# Altium PCB ROS-Robot-Controller.PcbDoc (part 2 of 2)
Units mil, origin at the board's own origin, x right, y up, seen from the top; angles counter-clockwise.
Board outline 1972.2 x 2280.91 mil, 2 copper layers (Top Layer, Bottom Layer); 104 components, 97 nets, 467 pads, 326 vias.
Unrouted connection lines stored in the file: 20.
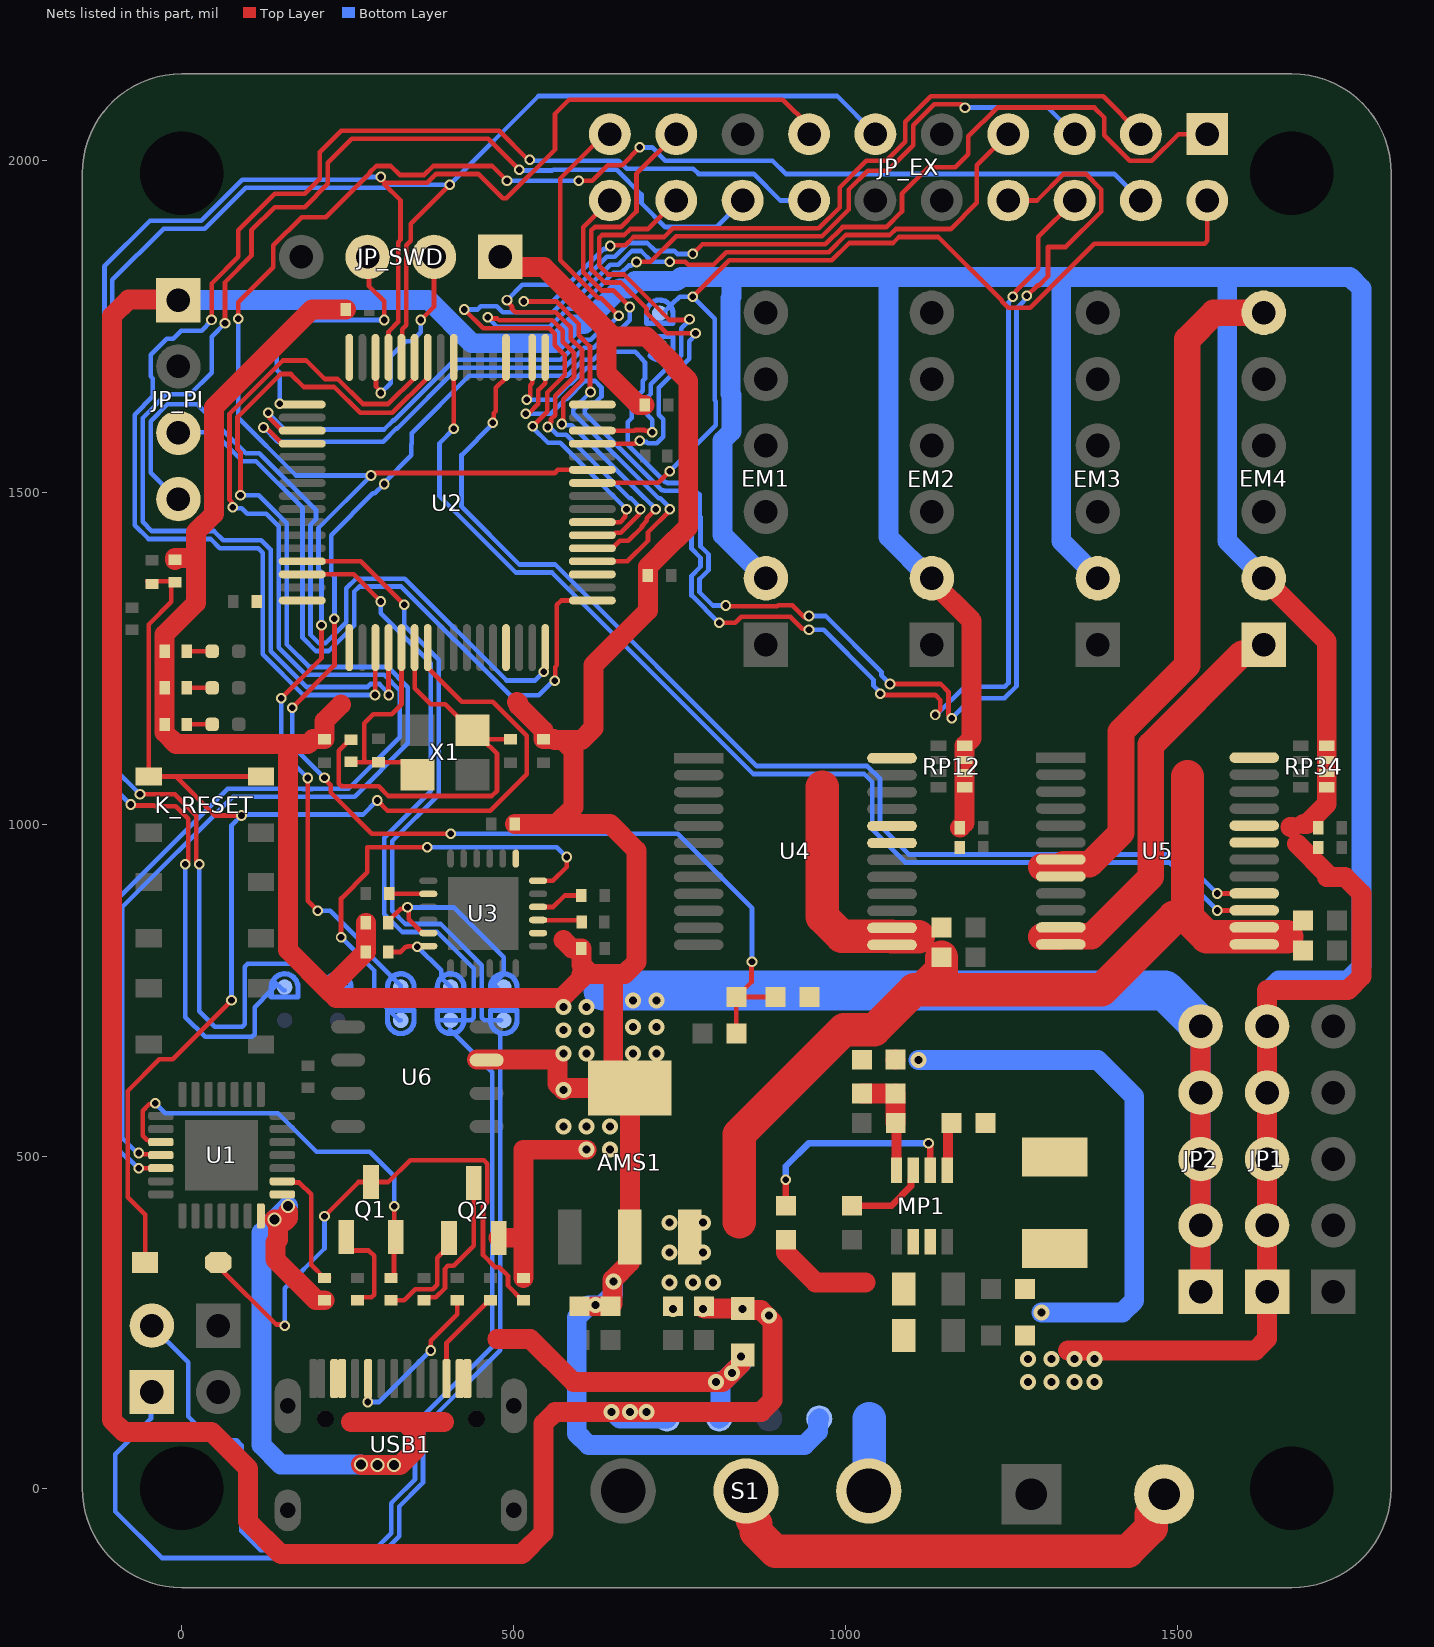
[diagram p2: the nets of this part, all layers, seen from the top]

## Via types
v1: diameter 16, hole 10, Top Layer to Bottom Layer, tented both sides, 227 vias
v2: diameter 24, hole 12, Top Layer to Bottom Layer, tented both sides, 94 vias
v3: diameter 21, hole 15, Top Layer to Bottom Layer, tented both sides, 5 vias

## Nets (pads, with @x,y where several pads share a name; then routed paths per layer and width w, separated by ;. In a path a pad name is that pad's centre, name@x,y a point inside that pad or via, vN(x,y) a via of type N, cw(c..) or ccw(c..) an arc to the next point about the centre after c; other vN are vias at no path point) (continued)
M4IN2: U2.36 U5.16 | length 1729.9
  Top Layer w7: v1(468.5,1605) 470.22,1606.72 470.22,1619.83 473,1622.61 473,1657.71 488.58,1673.29 U2.36@488.58,1703.5 ; v1(1560,896.02) U5.16@1615.67,896.02
  Bottom Layer w7: v1(468.5,1605) 468.5,1603.5 421.5,1556.5 421.5,1478.41 508.31,1391.6 562.64,1391.6 866.24,1088 1032.94,1088 1052,1068.94 1052,997.91 1095.12,954.8 1501.23,954.8 v1(1560,896.02)
M4OUT1: EM4.1 U5.11 U5.12 | length 633.7
  Top Layer w40: 1295,830.91 1324.33,830.91 1324.8,831.38 1370.14,831.38 1460,921.24 1460,1120 1597.44,1257.44 1616.54,1257.44 EM4.1@1630,1270.91
M4OUT2: EM4.6 U5.7 U5.8 | length 1057.8
  Top Layer w40: 1295,935.91 1324.33,935.91 1328.35,939.92 1367.47,939.92 1415,987.45 1415,1140 1515,1240 1515,1730.91 1555,1770.91 EM4.6@1630,1770.91
M4PWM: U2.40 U5.15 | length 1745.5
  Top Layer w7: U2.40@409.84,1703.5 409.92,1703.43 409.92,1595.98 v1(410,1595.91) ; v1(1560,870.43) U5.15@1615.67,870.43
  Bottom Layer w7: v1(410,1595.91) 388.28,1574.19 388.28,1494.66 503.34,1379.6 557.67,1379.6 861.27,1076 1027.97,1076 1040,1063.97 1040,992.94 1090.15,942.8 1487.64,942.8 v1(1560,870.43)
MPU6050_INT: DE3.1 U3.12 | length 689.7
  Top Layer w7: v1(240,830) 240,888.36 279.5,927.86 279.5,965.91 v1(370,965.91) ; U3.12@536.77,915.12 559.21,915.12 580,935.91 v1(580,950.91)
  Bottom Layer w7: v1(240,830) 290,780 290,742.32 312.32,720 327.32,705 DE3.1@330,705 ; v1(370,965.91) 565,965.91 v1(580,950.91)
MPU6050_SCL: DE2.1 R10.1 U3.23 | length 336.1
  Top Layer w7: R10.1@310.75,851.93 310.75,853.9 330.13,873.28 338.28,873.28 v1(340,875) 341.72,873.28 341.72,857.22 361.63,837.31 370.49,837.31 U3.23@371.42,836.38
  Bottom Layer w7: v1(340,875) 410,875 485,800 485,775 465,755 DE2.1@475,755
MPU6050_SDA: DE1.1 R8.1 U3.24 | length 145.9
  Top Layer w7: R8.1@310.75,807.95 329.61,807.95 337.56,815.91 340,815.91 340.39,816.3 371.02,816.3 U3.24@371.42,816.69
  Bottom Layer w7: v1(355,815.91) 390.86,780.05 390.86,769.14 DE1.1@405,755
NetC6_2: C6.2 U3.10 | length 72.3
  Top Layer w7: U3.10@536.77,875.75 559.84,875.75 577.05,892.95 C6.2@601.93,892.95
NetC7_1: C7.1 U3.20 | length 58.9
  Top Layer w7: C7.1@312.72,895.9 312.95,895.67 371.18,895.67 U3.20@371.42,895.43
NetC27_1: C27.1 MP1.8 R20.2 R21.1 | length 141.9
  Top Layer w15: MP1.8@1076.61,478.75 R21.1@1076.61,541.02
  Top Layer w30: C27.1@1025,594.41 1040,594.38 R20.2@1060,594.38 ; R20.2@1075,594.41 1075,550.6 R21.1@1075.59,550
NetC30_2: C30.2 MP1.7 | length 126
  Top Layer w10: C30.2@1010,425.59 1069.14,425.59 1098.7,455.15 1098.7,464.5 1102.2,468 MP1.7@1102.2,478.75
NetC33_1: C33.1 L1.2 MP1.3
NetC33_2: C33.2 MP1.5 | length 73.7
  Top Layer w15: MP1.5@1153.39,478.75 1154.39,479.72 1154.39,496.89 1154.39,544.96 C33.2@1159.41,550
NetD2_2: D2.2 Q1.3 R4.2 | length 845.7
  Top Layer w7: D2.2@55.12,330 59.05,330 142.33,246.72 153.28,246.72 v1(155,245) ; v1(215,410) 266.34,461.34 Q1.3@285,461.34 311.34,461.34 344.09,494.09 455.33,494.09 460.31,489.11 460.31,430.89 453.9,424.48 453.9,351.4 472.19,333.11 478.37,333.11 491.5,319.97 491.5,304.8 513.03,283.27 R4.2@515,283.27
  Bottom Layer w7: v1(155,245) 155,301.22 215,361.22 v1(215,410)
NetLED_BLUE_1: LED_BLUE.1 R16.1 | length 38.3
  Top Layer w7: R16.1@7.56,1150.91 LED_BLUE.1@45.83,1150.91
NetLED_GREEN_1: LED_GREEN.1 R15.1 | length 38.3
  Top Layer w7: R15.1@7.56,1205.91 LED_GREEN.1@45.83,1205.91
NetLED_PW_1: LED_PW.1 R17.1 | length 38.3
  Top Layer w7: R17.1@7.56,1260.91 LED_PW.1@45.83,1260.91
NetMP1_6: MP1.6 R22.1 | length 331.3
  Top Layer w10: R22.1@910,425.59 v1(910,465) ; v1(1125,520) 1125,518.38 1127.8,515.58 MP1.6@1127.8,478.75
  Bottom Layer w10: v1(910,465) 910,485 945,520 v1(1125,520)
NetQ1_1: Q1.1 R5.2 | length 148.3
  Top Layer w7: Q1.1@247.6,378.66 247.6,366.38 255.91,358.07 281.93,358.07 290,350 290,291.69 285.9,287.59 269.33,287.59 R5.2@265,283.27
NetQ2_1: Q2.1 R6.2 | length 158.2
  Top Layer w7: R6.2@315,283.27 335.26,283.27 351.99,300 378,300 384.66,306.66 384.66,346.96 392.93,355.23 394.29,355.23 402.6,363.54 Q2.1@402.6,377.32
NetQ2_3: Q2.3 R7.1 | length 220.8
  Top Layer w7: R7.1@365,283.27 369.37,287.64 382.61,287.64 396.66,301.69 396.66,330.9 400.76,335 409.7,335 440,365.3 Q2.3@440,460
NetR1_1: R1.1 U1.9 | length 178.1
  Top Layer w7: U1.9@151.5,462.44 U1.9@152.21,461.73 ; U1.9@166.44,460.5 177.15,460.5 195,442.65 195,336.73 R1.1@215,316.73 ; R1.1@215,317.44 R1.1@221.93,317.44
NetR2_2: R2.2 USB1.A5 | length 254.8
  Top Layer w7: v1(280,130) 280.39,130.39 280.39,164.73 USB1.A5@280.79,165.12 ; v1(375,207.6) 375,221.95 415,261.95 R2.2@415,283.27
  Bottom Layer w7: v1(280,130) 297.4,130 v1(375,207.6)
NetR3_2: R3.2 USB1.B5 | length 146.7
  Top Layer w7: USB1.B5@398.9,165.12 398.9,219.13 463.03,283.27 R3.2@465,283.27
NetR11_2: R11.2 U3.9 | length 67.4
  Top Layer w7: U3.9@536.77,856.06 537.32,855.52 600.34,855.52 R11.2@602.91,852.95
NetS1_2: S1.2 VIN1.2 | length 746
  Top Layer w50: S1.2@849.96,-4.1 859.23,-13.28 859.23,-47.6 865,-53.38 865,-65.71 894.29,-95 1425.42,-95 1460.62,-59.8 1460.62,-39.45 1485,-15.07 VIN1.2@1485,-14.09
OSCIN: C9.1 R13.2 U2.5 X1.3 | length 348.3
  Top Layer w7: R13.2@260,1094.17 260.36,1093.82 275,1093.82 278.17,1093.82 ; X1.3@330.78,1095.12 332.91,1095.12 333.5,1094.53 X1.3@333.5,1093.46 ; U2.5@331.1,1266.5 331.1,1180.88 316.34,1166.12 288.55,1166.12 275,1152.57 275,1096.99 278.17,1093.82 ; X1.3@355,1075 X1.3@353.03,1075 ; 278.17,1093.82 295.98,1093.82 C9.1@296.34,1093.46 X1.3@333.5,1093.46 ; X1.3@333.5,1093.46 333.5,1092.4 350.91,1075 X1.3@353.03,1075 ; X1.3@333.5,1093.46 334.57,1093.46 X1.3@353.03,1075
OSCOUT: C10.1 R13.1 U2.6 X1.1 | length 648.3
  Top Layer w7: R13.1@255,1127.64 253.03,1127.64 236.66,1111.26 236.66,1061.51 240.76,1057.41 296.83,1057.41 311.36,1042.88 466.79,1042.88 475,1051.09 475,1106.58 X1.1@452.95,1128.62 ; U2.6@350.79,1266.5 350.79,1205.12 375,1180.91 396.73,1180.91 435.71,1141.93 439.65,1141.93 X1.1@452.95,1128.62 ; C10.1@495,1128.62 X1.1@452.95,1128.62
PA4: JP_EX.1 U2.20 | length 1874.5
  Top Layer w7: v1(515,1787.94) 564.02,1787.94 598.04,1753.91 598.04,1736.94 615,1719.99 615,1652.32 v1(615.78,1651.54) ; U2.20@618.5,1396.42 671.42,1396.42 702.35,1427.35 702.35,1440.02 735,1472.67 v1(735,1475) ; v1(770,1859.5) 784.5,1874 969.5,1874 995.51,1900 1061.57,1900 1085,1923.43 1085,1950 1125,1990 1165,1990 1185,2010 1185,2036.56 1228.43,2080 1375,2080 1390,2065 1390,2038.44 1428.43,2000 1461.57,2000 1501.56,2040 JP_EX.1@1545,2040
  Bottom Layer w7: v1(515,1787.94) 558.59,1787.94 571.69,1801.04 586.5,1801.04 640.47,1855 652.33,1855 673.33,1876 701.52,1876 713.52,1864 741.83,1864 746.33,1859.5 v1(770,1859.5) ; v1(615.78,1651.54) 590,1625.77 590,1619.72 718.22,1491.5 720.83,1491.5 735,1477.33 v1(735,1475)
PA5: JP_EX.3 U2.21 | length 1741
  Top Layer w7: v1(490,1790) 490,1787.56 497.6,1779.96 497.6,1776.39 502.55,1771.44 563.55,1771.44 574.98,1760 586.04,1748.94 586.04,1731.97 603,1715.01 603,1669.23 574.57,1640.8 574.57,1611.63 574.4,1611.46 574.4,1605.09 v1(572.68,1603.37) ; U2.21@618.5,1416.1 648.86,1416.1 660.05,1427.29 672.59,1427.29 693.44,1448.13 693.44,1450.1 700.61,1457.28 700.61,1461.28 714,1474.67 v1(714,1475) ; v1(645.5,1871.5) 646.5,1872.5 668.01,1872.5 680.5,1885 726.69,1885 739.69,1898 959.56,1898 991.01,1929.45 991.01,1959.55 1031.47,2000 1061.57,2000 1090,2028.44 1090,2058.53 1128.47,2097 1388,2097 JP_EX.3@1445,2040
  Bottom Layer w7: v1(490,1790) 513.04,1813.04 581.53,1813.04 635.5,1867 638.56,1867 643.06,1871.5 v1(645.5,1871.5) ; v1(572.68,1603.37) 574.4,1601.65 587.35,1601.65 697.5,1491.5 697.83,1491.5 714,1475.33 v1(714,1475)
PA6: JP_EX.5 U2.22 | length 1657.1
  Top Layer w7: v1(461,1763.94) 462.72,1762.22 475.39,1762.22 478.17,1759.44 558.57,1759.44 574.04,1743.97 574.04,1727 591,1710.04 591,1674.2 562.57,1645.77 562.57,1616.6 556.18,1610.21 556.18,1606.28 551.17,1601.27 v1(551.17,1598.83) ; U2.22@618.5,1435.79 649.33,1435.79 652.83,1439.29 661.26,1439.29 689.28,1467.31 689.28,1473.28 v1(691,1475) ; v1(685.07,1847.43) 685.14,1847.5 706.17,1847.5 744.67,1886 964.53,1886 1005,1926.47 1005,1956.57 1033.44,1985 1063.53,1985 1102,2023.46 1102,2053.56 1133.44,2085 1175,2085 v1(1180,2080)
  Bottom Layer w7: v1(461,1763.94) 474.93,1750 554.59,1750 581.63,1777.04 596.44,1777.04 650.41,1831 662.28,1831 673.27,1842 677.2,1842 682.63,1847.43 v1(685.07,1847.43) ; v1(551.17,1598.83) 553.41,1598.83 565.37,1586.87 579.13,1586.87 602.94,1563.06 674.5,1491.5 676.83,1491.5 691,1477.33 v1(691,1475) ; v1(1180,2080) 1305,2080 JP_EX.5@1345,2040
PA7: JP_EX.7 U2.23 | length 1562.6
  Top Layer w7: v1(425.8,1775.8) 454.16,1747.44 553.6,1747.44 562.04,1739 562.04,1722.03 576.92,1707.16 576.92,1677.08 550.57,1650.74 550.57,1621.57 v1(529,1600) ; U2.23@618.5,1455.47 660.47,1455.47 668.28,1463.28 668.28,1473.28 v1(670,1475) ; v1(735,1847.5) 758.67,1847.5 763.17,1843 801.03,1843 820.03,1862 974.47,1862 1000.48,1888 1066.54,1888 1075.53,1897 1158.56,1897 1197.93,1936.36 1197.93,1992.93 JP_EX.7@1245,2040
  Bottom Layer w7: v1(425.8,1775.8) 445.72,1775.8 450.35,1780.44 474.56,1780.44 483.56,1771.44 559.06,1771.44 576.66,1789.04 591.47,1789.04 645.44,1843 657.31,1843 678.24,1863.93 691.9,1863.93 708.33,1847.5 v1(735,1847.5) ; v1(529,1600) 529,1597.67 551.79,1574.87 570.13,1574.87 589.74,1555.26 v1(670,1475)
PA11: DE_CAN_Rx.2 JP_EX.11 U2.44 | length 3110.7
  Top Layer w7: v1(-62.88,1045.54) -10.24,1045.54 22,1013.31 22,944.5 v1(26.5,940) ; U2.44@331.1,1703.5 332.02,1704.42 332.02,1746.07 338.04,1752.08 338.04,1872.38 345,1879.35 345,1905 v1(403.5,1963.5)
  Bottom Layer w7: v1(-62.88,1045.54) -104.5,1087.16 -104.5,1820.36 -27.45,1897.41 34.58,1897.41 96.17,1959 306.83,1959 311.33,1963.5 v1(403.5,1963.5) 537.41,2097.41 987.59,2097.41 JP_EX.11@1045,2040 ; v1(26.5,940) 26.5,718.5 50,695 90.9,695 95,699.1 95,785.9 99.1,790 170,790 210,750 215,750 DE_CAN_Rx.2@235,750 ; DE_CAN_Rx.2@235,755 255,755 255,754.32
PA12: DE_CAN_Tx.2 JP_EX.13 U2.45 | length 2996
  Top Layer w7: v1(-77,1030) -75.5,1028.5 -41.61,1028.5 -40.3,1027.18 -8.85,1027.18 10,1008.33 10,944.5 v1(5.5,940) ; v1@300,1970 v1(300,1975.5) ; v1@303.44,1970 306.94,1966.5 370.14,1966.5 383.64,1980 446.83,1980 483.35,1943.48 489.15,1943.48 562.25,2016.59 562.25,2070.9 583.35,2092 905.41,2092 945,2052.41 JP_EX.13@945,2040 ; 305.22,1964.78 329.53,1940.47 329.53,1880.85 326.04,1877.35 326.04,1757.05 311.42,1742.44 U2.45@311.42,1703.5
  Bottom Layer w7: v1(-77,1030) -116.5,1069.5 -116.5,1840.79 -47.87,1909.41 29.61,1909.41 91.2,1971 273.24,1971 277.74,1975.5 v1(300,1975.5) ; v1(5.5,940) 5.5,709.8 35.15,680.15 105.75,680.15 109.85,684.25 109.85,724.85 135,750 139.74,754.74 139.74,762.93 152.68,750 DE_CAN_Tx.2@155,750
PB0: DE_VIN_ADC.2 JP_EX.2 U2.26 | length 1444.9
  Top Layer w7: U2.26@618.5,1514.53 618.74,1514.76 717.76,1514.76 v1(735,1532) ; v1(770,1795) 825,1850 979.44,1850 1005.45,1876 1071.51,1876 1080.5,1885 1139.91,1885 1235.29,1789.62 1235.29,1788.29 1244.96,1778.63 1246.28,1778.63 1246.41,1778.5 1278.5,1778.5 1375,1875 1540.9,1875 1545,1879.1 JP_EX.2@1545,1940
  Bottom Layer w7: DE_VIN_ADC.2@725,1770 739.14,1784.14 750,1795 v1(770,1795) 803.04,1761.96 803.04,1639.03 804.54,1637.53 804.54,1601.54 v1(735,1532)
PB1: DE3.2 JP_EX.4 U2.27 | length 3201.6
  Top Layer w7: v1(85,1762) 85,1786.67 138.04,1839.7 138.04,1872.38 180.65,1915 217.24,1915 283.5,1981.26 283.5,1982.33 293.17,1992 314.67,1992 328.17,1978.5 365.17,1978.5 378.67,1992 468,1992 v1(490,1970) ; v1(150,1190) 210.5,1250.5 v1(210.5,1300) ; v1(190,1070) 190,885 v1(205,870) ; v1(285.15,1525.75) 287.59,1525.75 291.24,1529.41 561.83,1529.41 566.64,1534.21 U2.27@618.5,1534.21 ; v1(598.29,1969.98) 618.42,1969.98 641.8,1993.36 663.36,1993.36 v1(690,2020)
  Bottom Layer w7: v1(85,1762) 85,1612.88 172.12,1525.75 v1(285.15,1525.75) 206,1446.6 206,1384.61 210.5,1380.11 v1(210.5,1300) ; v1(150,1190) 150,1110 v1(190,1070) ; v1(205,870) 205.17,869.83 223.5,869.83 286.83,806.51 286.83,800.14 316.88,770.09 330,756.97 DE3.2@330,755 ; v1(490,1970) v1(598.29,1969.98) ; v1(690,2020) 690.06,2019.94 708.5,2019.94 728.43,2000 890,2000 910,1980 1405,1980 JP_EX.4@1445,1940
PB10: JP_EX.17 U2.29 | length 780.7
  Top Layer w7: U2.29@618.5,1573.58 683.2,1573.58 687.45,1577.83 v1(689.89,1577.83) ; JP_EX.17@745,2040 685,1980 685,1923.43 661.57,1900 622.08,1900 617,1894.92 617,1836.72 637.22,1816.5 661.22,1816.5 678.95,1798.78 679.04,1798.78 700.1,1777.72 700.1,1770.83 730.93,1740 v1(774,1740)
  Bottom Layer w7: v1(689.89,1577.83) 691.61,1576.11 700.37,1576.11 702.03,1574.46 715.7,1574.46 725.36,1584.12 725.36,1610.4 718.5,1617.27 718.5,1658.22 735.78,1675.5 743.43,1675.5 755,1687.07 755,1692.07 764.5,1701.57 764.5,1728.06 774,1737.56 v1(774,1740)
PB11: JP_EX.18 U2.30 | length 644.8
  Top Layer w7: U2.30@618.5,1593.27 681.99,1593.27 683.06,1594.33 696.72,1594.33 697.79,1593.27 700.26,1593.27 700.85,1592.68 707.14,1592.68 v1(708.86,1590.96) ; JP_EX.18@745,1940 702,1897 675.53,1897 666.54,1888 633.17,1888 629,1883.84 629,1841.69 642.19,1828.5 666.29,1828.5 734.79,1760 764,1760 v1(765,1761)
  Bottom Layer w7: v1(708.86,1590.96) 708.86,1609.93 701.5,1617.3 701.5,1643.52 706.5,1648.52 706.5,1663.19 730.81,1687.5 733.46,1687.5 752.5,1706.54 752.5,1747.34 765,1759.84 v1(765,1761)
PB12: JP_EX.6 U2.33 | length 2040.8
  Top Layer w7: v1(518.3,1619) 522.33,1619 537,1633.67 537,1655 538.07,1655 538.57,1655.5 538.57,1655.71 547.64,1664.78 U2.33@547.64,1703.5 ; v1(809.54,1303.8) 833.94,1303.8 843.01,1312.87 916.99,1312.87 934.86,1295 943.06,1295 v1(945,1293.06) ; v1(1052.06,1196.75) 1053.71,1195.1 1134.9,1195.1 1142.5,1187.5 1142.5,1172.5 v1(1135,1165) ; v1(1251.79,1795.13) 1251.79,1797.56 1256.45,1802.22 1256.45,1803.12 1290.54,1837.21 1290.54,1885.54 JP_EX.6@1345,1940
  Bottom Layer w7: v1(518.3,1619) 555.97,1619 578.49,1641.51 580.46,1641.51 606.98,1668.04 622.61,1668.04 632.28,1658.38 632.28,1644.71 622.61,1635.04 616.25,1635.04 606.98,1625.78 606.98,1619.71 723.19,1503.5 725.81,1503.5 726.81,1502.5 757.53,1502.5 768,1492.03 768,1415.33 781.5,1401.83 781.5,1388.17 768,1374.67 768,1345.03 809.23,1303.8 v1(809.54,1303.8) ; v1(945,1293.06) 966.94,1293.06 1042.1,1217.9 1042.1,1209.14 1052.06,1199.18 v1(1052.06,1196.75) ; v1(1135,1165) 1136.99,1165 1179.66,1207.68 1240,1207.68 1245.5,1213.18 1245.5,1786.4 1251.79,1792.69 v1(1251.79,1795.13)
PB13: JP_EX.8 U2.34 | length 2303.4
  Top Layer w7: v1(520,1640) 525,1645 525,1661.62 527.95,1664.57 U2.34@527.95,1703.5 ; v1(819.7,1329.86) 820.61,1328.94 897.38,1328.94 898.44,1330 920,1330 937.87,1312.13 943.06,1312.13 v1(945,1314.06) ; v1(1066.91,1211.6) 1143.4,1211.6 1155,1200 1155,1165 v1(1160,1160) ; JP_EX.8@1245,1940 1288.44,1940 1328.43,1980 1361.57,1980 1385,1956.57 1385,1923.43 1331.56,1870 1305,1870 1305,1825.76 1291.13,1811.88 1288.55,1811.88 v1(1272.95,1796.29)
  Bottom Layer w7: v1(520,1640) 560,1640 583.9,1663.9 585.87,1663.9 609.92,1687.95 624.74,1687.95 648.79,1712 683,1712 693.36,1701.64 693.36,1700.68 697.8,1696.24 697.8,1671.46 694.5,1668.17 694.5,1653.49 675.27,1634.26 675.27,1628.46 677.77,1625.97 677.77,1612.3 671.77,1606.3 671.77,1571.9 679.17,1564.5 728.17,1515.5 730.78,1515.5 731.78,1514.5 762.5,1514.5 780,1497 780,1465 781.5,1463.5 781.5,1418.81 793.5,1406.81 793.5,1383.19 780,1369.69 780,1350 800.14,1329.86 v1(819.7,1329.86) ; v1(945,1314.06) 969.93,1314.06 1054.1,1229.9 1054.1,1224.95 1066.91,1212.14 v1(1066.91,1211.6) ; v1(1160,1160) 1190,1190 1240,1190 1240,1190.71 1257.5,1208.21 1257.5,1777.5 1268.29,1788.29 1268.29,1789.19 1272.95,1793.85 v1(1272.95,1796.29)
PC10: JP_EX.19 U2.51 | length 1024.3
  Top Layer w7: v1(130.49,1619.98) 131.72,1618.74 131.72,1612.83 151.28,1593.27 U2.51@181.5,1593.27 ; JP_EX.19@645,2040 636.86,2040 570,1973.14 570,1849.78 627.28,1792.5 632.29,1792.5 v1(658.51,1766.27)
  Bottom Layer w7: v1(130.49,1619.98) 130.49,1619.51 155,1595 304.69,1595 318.19,1608.5 319.56,1608.5 411.06,1700 571.06,1700 601.09,1730.04 615.91,1730.04 633.88,1748 640.24,1748 v1(658.51,1766.27)
PC11: JP_EX.20 U2.52 | length 941.4
  Top Layer w7: v1(123.11,1598.11) 124.83,1596.38 128.48,1596.38 151.28,1573.58 U2.52@181.5,1573.58 ; JP_EX.20@645,1940 605,1900 605,1831.75 632.25,1804.5 649.96,1804.5 v1(674.81,1779.64)
  Bottom Layer w7: v1(123.11,1598.11) 144.41,1576.8 303.47,1576.8 323.17,1596.5 324.53,1596.5 416.03,1688 576.03,1688 606.06,1718.04 620.88,1718.04 638.85,1736 651.57,1736 675.01,1759.44 675.01,1779.45 v1(674.81,1779.64)
PC14: JP_EX.14 U2.3 | length 2153.6
  Top Layer w7: v1(44.73,1760.06) 45,1760.33 45,1815 85,1855 85,1895 140,1950 185,1950 208,1973 208,2013 240,2045 478.28,2045 521.63,2001.66 v1(523.99,2001.66) ; v1(291.07,1195) 291.73,1195.66 U2.3@291.73,1266.5
  Bottom Layer w7: v1(44.73,1760.06) 44.73,1758.77 29.92,1743.96 -1.04,1743.96 -13.04,1731.96 -22.38,1731.96 -46.96,1707.38 -46.96,1675.3 -43.5,1671.83 -43.5,1644.79 -70.96,1617.32 -70.96,1450.96 -50,1430 43.59,1430 57.38,1416.21 70.76,1416.21 114.97,1416.21 122,1409.18 122,1256.18 183.18,1195 v1(291.07,1195) ; v1(523.99,2001.66) 525.64,2000 658.53,2000 670.53,1988 770.53,1988 778.54,1980 861.57,1980 901.56,1940 JP_EX.14@945,1940
PC15: JP_EX.16 U2.4 | length 2069.7
  Top Layer w7: v1(65.15,1755.15) 65.15,1816.65 105,1856.5 105,1895 140,1930 185,1930 220,1965 220,1996.72 256.28,2033 462,2033 508.5,1986.5 v1(508.67,1986.5) ; U2.4@311.42,1266.5 311.42,1195.66 v1(312.07,1195)
  Bottom Layer w7: v1(65.15,1755.15) 45,1735 45,1680.65 12.38,1648.04 -23.28,1648.04 -58.96,1612.35 -58.96,1455.94 -45.03,1442 48.56,1442 62.35,1428.21 75.73,1428.21 119.94,1428.21 134,1414.15 134,1261.15 188.15,1207 279.74,1207 284.24,1211.5 297.91,1211.5 312.07,1197.33 v1(312.07,1195) ; v1(508.67,1986.5) 510.01,1985.16 558.31,1985.16 559.64,1986.48 655.08,1986.48 692.61,1948.95 692.61,1935.83 728.43,1900 805,1900 JP_EX.16@845,1940
RESET: C11.2 D2.1 K_RESET.1 K_RESET.2 R14.1 U2.7 | length 2138.7
  Top Layer w7: D2.1@-55.12,330 -55.12,412.3 -81.5,438.68 -81.5,598.5 -33.7,646.3 -13.7,646.3 v1(75,735) ; C11.2@-51.81,1366.52 -11.52,1366.52 R14.1@-10,1365 -15.6,1359.4 -15.6,1335.3 -49.64,1301.26 K_RESET.1@-49.64,1072.32 -8.82,1072.32 ; v1(90,1013.5) 50,1013.5 -8.82,1072.32 ; K_RESET.2@119.65,1072.32 -8.82,1072.32 ; v1(294.75,1036.15) 310,1020.91 465,1020.91 520,1075.91 520,1133.36 468.36,1185 421.75,1185 U2.7@370.47,1236.28
  Bottom Layer w7: v1(75,735) 75,998.5 v1(90,1013.5) ; v1@90,1015 273.6,1015 v1(294.75,1036.15)
RTS: Q1.2 R6.1 U1.24 | length 656
  Top Layer w7: v1(-40,580) -41.72,578.28 -49.35,578.28 -59,568.63 -59,530.78 -52.21,524 -34,524 U1.24@-31.5,521.5 ; R6.1@315,316.73 315.28,316.73 319.65,321.11 319.65,375.91 Q1.2@322.4,378.66 320,381.06 v1(320,425)
  Bottom Layer w7: v1(-40,580) -25,565 145,565 203,507 283,507 320,470 v1(320,425)
SCL: DE2.2 JP_IIC.1 U2.61 | length 2464.9
  Top Layer w7: U2.61@181.5,1396.42 269.49,1396.42 v1(335,1330.91)
  Bottom Layer w7: JP_IIC.1@-45,145 -46.36,143.64 -46.36,105.14 -100,51.49 -100,-35 -30,-105 295,-105 327.49,-72.51 327.49,-27.49 359.97,5 ; v1(335,1330.91) 335,1300 387,1248 387,1045.03 317,975.03 317,869.97 336.97,850 389.97,850 452,787.97 452,709.1 456.1,705 465,705 DE2.2@481.02,705 ; 360,5 363.49,8.49 363.49,91.51 480,208.03 480,684.69 479.24,685.45
SDA: DE1.2 JP_IIC.2 U2.62 | length 2444.1
  Top Layer w7: U2.62@181.5,1376.73 259.17,1376.73 v1(300,1335.91)
  Bottom Layer w7: JP_IIC.2@-45,245 10,190 10,108.08 46.08,72 82.97,72 90,64.97 90,-65 118,-93 290.03,-93 315.49,-67.54 315.49,-22.51 319,-19 351.49,13.49 351.49,96.49 355,100 468,213 468,627 409.49,685.51 404.14,690.86 ; v1(300,1335.91) 300,1318.03 375,1243.03 375,1050 305,980 305,865 332,838 385,838 440,783 440,709.1 435.9,705 425,705 410,705 390,705
SWCLK: JP_SWD.3 U2.49 | length 401.1
  Top Layer w7: v1(147.45,1633.56) 148.37,1632.64 U2.49@181.5,1632.64 ; JP_SWD.3@293.18,1840.49 282.07,1829.39 282.07,1811.04 305,1788.11 v1(305,1760)
  Bottom Layer w7: v1(147.45,1633.56) 147.45,1680.22 143,1684.67 143,1728.91 174.09,1760 v1(305,1760)
SWDIO: JP_SWD.2 U2.46 | length 300.3
  Top Layer w7: U2.46@291.73,1703.5 292.65,1702.58 292.65,1659.78 300,1652.44 v1(300,1650) ; v1(360,1760) 380,1780 JP_SWD.2@380,1855
  Bottom Layer w7: v1(300,1650) 315,1665 315,1705.44 337.39,1727.83 346.36,1727.83 360,1741.47 v1(360,1760)
USART1_RX_DEBUG: U1.26 U2.43 | length 2057.3
  Top Layer w7: v1(-65,482.13) U1.26@-31.5,482.13 ; v1(77.02,1477.97) 75.3,1479.69 75.3,1485.73 71.96,1489.07 71.96,1618.73 152.23,1699 187.67,1699 215.62,1671.04 234.92,1671.04 272.47,1633.5 311,1633.5 350.79,1673.29 U2.43@350.79,1703.5
  Bottom Layer w7: v1(-65,482.13) -65.46,482.13 -79.79,496.45 -81.79,496.45 -102,516.67 -102,883 69,1054 182.67,1054 183.17,1053.5 196.83,1053.5 197.33,1054 251.22,1054 328.57,1131.35 328.57,1201.83 305.09,1225.32 186.8,1225.32 146,1266.12 146,1449 127,1468 98.46,1468 90.22,1476.25 78.75,1476.25 v1(77.02,1477.97)
USART1_TX_DEBUG: U1.25 U2.42 | length 2022.9
  Top Layer w7: v1(-65,505) -63.41,503.41 -33.09,503.41 U1.25@-31.5,501.81 ; v1(88.46,1495.91) 88.46,1560.5 83.96,1565 83.96,1613.76 148.77,1678.56 164.51,1678.56 184.02,1659.04 229.95,1659.04 269,1620 317.18,1620 370.47,1673.29 U2.42@370.47,1703.5
  Bottom Layer w7: v1(-65,505) -67,505 -90,528 -90,875 77,1042 177.69,1042 178.19,1041.5 201.81,1041.5 202.31,1042 260.29,1042 340.57,1122.28 340.57,1206.81 310.06,1237.32 191.77,1237.32 158,1271.09 158,1453.97 116.06,1495.91 v1(88.46,1495.91)
USART2_RX_PI: JP_PI.3 U2.17 | length 1147.3
  Top Layer w7: v1(561.65,1216.52) 562.52,1217.38 562.52,1237.14 565,1239.62 565,1330.91 571.46,1337.36 U2.17@618.5,1337.36
  Bottom Layer w7: JP_PI.3@-15,1590.91 48.03,1590.91 91.53,1547.41 111.83,1547.41 182,1477.24 182,1302.38 182,1281.03 201.71,1261.32 221.62,1261.32 260,1299.69 260,1350.91 267.5,1358.41 330.83,1358.41 494.78,1194.46 537.55,1194.46 559.61,1216.52 v1(561.65,1216.52)
USART2_TX_PI: JP_PI.4 U2.16 | length 1180
  Top Layer w7: v1(545.56,1230.01) 546.72,1231.17 546.72,1265.58 U2.16@547.64,1266.5
  Bottom Layer w7: JP_PI.4@-15,1490.91 -15,1498.16 -46.96,1530.13 -46.96,1607.38 -21.48,1632.87 23.04,1632.87 96.5,1559.41 116.81,1559.41 202.18,1474.04 202.18,1459.75 194,1451.57 194,1286 206.68,1273.32 216.65,1273.32 248,1304.67 248,1355.88 262.53,1370.41 335.8,1370.41 489.25,1216.96 532.46,1216.96 v1@545.51,1230.01
USB_5V: F1.1 R1.2 TP_USB_5V.1 U1.7 U1.8 USB1.A4 USB1.A9 USB1.B4 USB1.B9 | length 1585.9
  Top Layer w30: 155,401.81 160,406.81 v3@160,415.91 ; 155,405 v3(140,405) 145.06,399.94 145.06,374.39 140.98,370.31 140.98,344.75 202.47,283.27 R1.2@215,283.27 ; 255,100 335.91,100 ; v3(270,35.91) 270.91,35 v3(295,35) v3(320,35) 329.09,35 352.57,58.48 352.57,83.33 335.91,100 ; 395,100 335.91,100 ; 475.32,225 525,225 590,160 814.93,160 842.5,187.57 v2(842.5,198.41) F1.1@845,200.91
  Bottom Layer w30: v3(160,425) 120.04,385.04 120.04,64.96 149.09,35.91 v3(270,35.91) ; v3@270.91,35 v3(295,35) v3(320,35) ; TP_USB_5V.1@809.63,105 811.42,106.79 811.42,161.42 816.42,161.42 v2@845,190
  other v2: 805,160 828.71,173.79
VCC3V3: AMS1.2 AMS1.4 C3.2 C4.2 C5.2 C8.1 C21.2 C22.2 C23.2 C24.2 C25.2 C26.2 JP2.1 JP2.2 JP2.3 JP2.4 JP2.5 JP_SWD.1 Q2.2 R4.1 R8.2 R10.2 R14.2 R15.2 R16.2 R17.2 TP_VCC3V3.1 U2.1 U2.13 U2.19 U2.32 U2.48 U2.64 U3.8 U3.13 U6.3 | length 7430.7
  Top Layer w30: R14.2@-10,1398.47 -10,1401.5 21.5,1401.5 ; 169.6,1120.91 160,1120.91 ; 170.14,1120.91 189.86,1120.91 197.57,1128.62 C26.2@215,1128.62 215,1155.91 240,1180.91 ; C24.2@247.29,1775.91 195.91,1775.91 48.46,1628.46 48.46,1467.85 21.5,1440.89 21.5,1401.5 ; R10.2@277.29,851.93 R8.2@277.29,807.95 220,750.66 ; U6.3@445,645.94 565.76,645.94 565.76,609.24 v2(575,600) 578.11,603.11 AMS1.4@675,603.11 ; Q2.2@477.4,377.32 515,377.32 ; JP_SWD.1@480,1855 495.28,1839.72 545.47,1839.72 650.19,1735 699.69,1735 742.07,1692.61 742.07,1689.26 763,1668.33 763,1448.4 744.1,1429.5 743.59,1429.5 702.29,1388.19 C21.2@702.29,1375 702.29,1322.29 620,1240 620,1144.98 602.43,1127.41 561.93,1127.41 560.72,1128.62 C25.2@545,1128.62 545,1141.59 507.5,1179.1 507.5,1182.3 505.19,1184.6 ; C8.1@501.81,1000.9 565,1000.9 ; R4.1@515,316.73 515,377.32 ; 573.64,1127.41 590,1111.04 590,1025.91 565,1000.9 ; 575,825.91 587.95,812.95 C5.2@601.93,812.95 601.93,788.48 615.41,775 650,775 ; 601.93,775 601.93,767.83 572.51,738.41 232.25,738.41 220,750.66 ; v2(610,510) 515,510 515,377.32 ; v2@619,274.21 C4.2@646,274.21 649.18,277.39 649.18,314.18 AMS1.2@675,340 ; 640,1745.19 640,1680 688.19,1631.81 C22.2@697.29,1631.81 ; AMS1.4@659.15,617.3 650,626.46 650,775 ; AMS1.4@673.35,603.11 675,601.46 AMS1.2@675,382.98 ; JP2.1@1535,295.91 JP2.2@1535,395.91 JP2.3@1535,495.91 JP2.4@1535,595.91 JP2.5@1535,695.91 ; 21.5,1401.5 21.5,1333.77 -25.91,1286.36 R17.2@-25.91,1260.91 R15.2@-25.91,1205.91 R16.2@-25.91,1150.91 -25.91,1138.37 -8.44,1120.91 160,1120.91 ; 160,1120.91 160,810.66 220,750.66 ; 565,1000.9 645,1000.9 685,960.9 685,792.57 667.43,775 650,775
  Bottom Layer w30: v2@650,310 650,292.57 632.43,275 612.69,275 595.12,257.43 595.12,82.69 612.69,65.12 938.11,65.12 958.58,85.58 958.58,103.21 TP_VCC3V3.1@960.37,105 ; JP2.1@1535,295.91 JP2.2@1535,395.91 JP2.3@1535,495.91 JP2.4@1535,595.91 JP2.5@1535,695.91
  Bottom Layer w60: 635,750 1480.91,750 JP2.5@1535,695.91
  other v2: 623.17,276.2 650.61,311.2 645,510 575,545 610,545 645,545 575,655 610,655 680,655 715,655 575,690 610,690 680,695 715,695 575,725 610,725 680,735 715,735
VCC5V: AMS1.3 C1.2 C2.2 C17.1 C18.2 C19.1 C20.2 C27.2 C31.2 C32.2 EM1.2 EM2.2 EM3.2 EM4.2 F1.2 JP1.1 JP1.2 JP1.3 JP1.4 JP1.5 JP_PI.1 L1.1 R20.1 RP12.5 RP12.6 RP12.7 RP12.8 RP34.5 RP34.6 RP34.7 RP34.8 TP_VCC5V.1 U4.19 U4.20 U5.19 U5.20 | length 11695.8
  Top Layer w30: JP_PI.1@-15,1790.91 -80,1790.91 -105,1765.91 -105,102.57 -87.43,85 45,85 100,30 100,-50 149.29,-99.29 512.23,-99.29 545,-66.52 545,97.43 562.57,115 872.43,115 890,132.57 890,250.83 872.43,268.41 847.5,268.41 F1.2@845,270.91 C1.2@787.01,270.91 ; EM2.2@1130,1370.91 1130,1366.87 1190,1306.87 1190,1129.53 RP12.8@1179.37,1118.9 RP12.6@1179.37,1077.56 1179.37,1002.09 C18.2@1172.29,995 ; 1335,207.57 1617.43,207.57 1635,225.15 JP1.2@1635,395.91 JP1.3@1635,495.91 JP1.4@1635,595.91 JP1.5@1635,695.91 1635,750.91 1757.2,750.91 1777.2,770.91 1777.2,896.13 1752.43,920.91 1725,920.91 1725,925.91 1680,970.91 ; EM4.2@1630,1370.91 1725,1275.91 RP34.8@1725,1118.9 RP34.7@1725,1097.24 RP34.6@1725,1077.56 RP34.5@1725,1055.91 1725,1030.91 1695,1000.91 1690,1000.91 ; 1670,995.91 1673.6,995.91
  Bottom Layer w30: JP_PI.1@-5,1790 372,1790 437,1725 562.82,1725 591.36,1753.54 606.18,1753.54 660.15,1807.5 672.01,1807.5 683.01,1818.5 745.59,1818.5 752.09,1825 828.04,1825 ; v2@645,115 650,115 660,105 TP_VCC5V.1@731.11,105 ; EM1.2@880,1370.91 814.54,1436.37 814.54,1578.3 828.04,1591.8 828.04,1647.26 826.54,1648.76 826.54,1793.05 828.04,1794.55 828.04,1825 ; v2(1110,645) 1154.98,645 1380.01,644.98 1435.01,589.98 1435.01,282.57 1417.43,265 v2(1295,265) ; EM2.2@1130,1370.91 1126.77,1370.91 1064.54,1433.14 1064.54,1825 ; EM3.2@1380,1370.91 1380,1371.87 1325,1426.87 1325,1825 ; EM4.2@1630,1370.91 1630,1371.87 1575,1426.87 1575,1825 ; JP1.1@1635,295.91 JP1.2@1635,395.91 JP1.3@1635,495.91 JP1.4@1635,595.91 JP1.5@1635,695.91 1635,747.43 1652.57,765 1756.3,765 1777.2,785.91 1777.2,1807.43 1759.63,1825 1575,1825 ; 828.04,1825 1064.54,1825 ; 1064.54,1825 1325,1825 ; 1325,1825 1575,1825
  other v2: 647.5,115 675,115 700,115 1275,160 1310,160 1345,160 1375,160 1275,195 1310,195 1345,195 1375,195 885,260 740,270 785,270 845,270 735,310 770,310 800,310 735,355 785,355 735,400 785,400
VCC12V: C13.2 C14.2 C15.2 C16.2 C28.2 C29.2 MP1.2 R18.2 R22.2 S1.3 TP_VCC12V.1 U4.13 U4.14 U4.24 U5.13 U5.14 U5.24 | length 1978
  Top Layer w30: R22.2@910,374.41 910,355 955,310 1030,310
  Top Layer w50: 840,401.2 840,533.01 997.58,690.59 1043.33,690.59 1103.65,750.91 1115.12,750.91 ; 965,1056.21 965,860.98 994.26,831.72 1069.18,831.72 1070,830.91 1110,830.91 ; C13.2@1144.41,800 1144.41,780.19 1115.12,750.91 ; 1495,860.2 1385.71,750.91 1115.12,750.91 ; 1515,1072.33 1515,860.2 1544.29,830.91 1615.67,830.91 1665,830.91
  Bottom Layer w50: S1.3@1035,-4.1 1035.74,-3.35 TP_VCC12V.1@1035.74,105
VIN_ADC: C12.2 DE_VIN_ADC.1 R18.1 R19.2 | length 2062
  Top Layer w7: v1(166.5,1176.06) 230,1239.56 v1(230,1310) ; v1(215,1070.5) 215,1068.06 224.26,1058.81 224.26,1048.15 286.5,985.91 v1(405,985.91) ; R19.2@835.59,685 C12.2@835.59,740 ; v1(859.14,793) 858.28,792.14 858.28,762.69 C12.2@835.59,740 ; R18.1@894.41,740 C12.2@835.59,740
  Bottom Layer w7: v1(166.5,1176.06) 166.5,1118.5 214.5,1070.5 v1(215,1070.5) ; v1(230,1310) 230,1374.17 225,1379.17 225,1435.91 287.94,1498.85 290.94,1498.85 v1(305,1512.91) ; v1@305,1515 345.96,1555.96 345.96,1572.62 346.5,1573.17 346.5,1589.68 432.72,1675.9 580.9,1675.9 604.95,1699.95 619.77,1699.95 643.82,1724 700,1724 701,1724 702.5,1722.5 705,1720 710.96,1720 DE_VIN_ADC.1@725,1720 ; v1(405,985.91) 747.12,985.91 859.14,873.89 v1(859.14,793) ; 705,1730 705.86,1730.86
  Bottom Layer w8: 700,1730 710.96,1719.04 DE_VIN_ADC.1@710.96,1718.18
pads on no net: S1.1 U1.1 U1.2 U1.6 U1.10 U1.11 U1.12 U1.13 U1.14 U1.15 U1.16 U1.17 U1.18 U1.19 U1.20 U1.21 U1.22 U1.23 U1.27 U3. U3.2 U3.3 U3.4 U3.5 U3.6 U3.7 U3.14 U3.15 U3.16 U3.17 U3.19 U3.21 U3.22 U6.5 U6.8 USB1.0 USB1.A8 USB1.B8

## Polygon pours and split planes (outlines as drawn)
M3OUT1 on Top Layer "M3OUT1_L01_P024" (solid, remove dead copper, pour order 24): 1360,1110 1360,1065 1281.68,1065 1281.68,1110.41 1281.93,1110.41 1285,1155 1325,1155 1335,1115
M1OUT1 on Top Layer "M1OUT1_L01_P044" (solid, remove dead copper, pour order 44): 817.08,1110.91 817.08,1065.91 738.75,1065.91 738.75,1111.32 739.01,1111.32 742.08,1155.91 782.08,1155.91 792.08,1115.91
VCC3V3 on Top Layer "VCC3V3_L01_P017" (solid, remove dead copper, pour order 17): 260,1325.91 105,1325.91 105,1345.91 135,1345.91 260,1345.91
GND on Top Layer "GND_L01_P042" (solid, remove dead copper, pour order 42): -220,2265 -220,-215 1920,-215 1920,2265
USB_5V on Top Layer "USB_5V_L01_P008" (solid, remove dead copper, pour order 8): 130,450 175,449.74 175,399.46 130.69,390.03 110,390.38 110,435
GND on Top Layer "GND_L01_P035" (solid, pour order 35): 940,565 1040,565 1040,535.66 980,530 980,390 1085,390 1085,350 940,350
VCC12V on Top Layer "VCC12V_L01_P001" (solid, remove dead copper, pour order 1): 1030,850.91 1115,855.91 1125,875.91 1165,875.91 1165,775.91 894.55,605.45 930.37,725 930.37,755.15
VCC3V3 on Top Layer "VCC3V3_L01_P029" (solid, remove dead copper, pour order 29): 565,750 600,785 685,785 690,780 747.3,780 745,665 745,480 696.79,431.79 697.4,335.7 656.35,335.7 654.24,482.63 555,485.51 555,745 565,755
VCC5V on Top Layer "VCC5V_L01_P030" (solid, remove dead copper, pour order 30): 1250,395 1395,395 1395.46,135 1250,135
VCC12V on Top Layer "VCC12V_L01_P036" (solid, remove dead copper, pour order 36): 1090.68,395 1115,395 1115,-55 981.29,-55 963.58,-37.29 963.58,61.87 960,105 922.05,287.97 841.59,331.86 813.59,400 813.59,425.44 862.5,427.5 890,390 922.05,385 940.53,339.47 1015,325 1070,325 1090.68,332.94
VCC5V on Top Layer "VCC5V_L01_P034" (solid, remove dead copper, pour order 34): 1005,660 1005,630 1135,630 1135,660
NetC33_1 on Top Layer "NETC33_1_L01_P033" (solid, remove dead copper, pour order 33): 1195,570 1395,570 1395,440 1227.05,439.15 1202.16,411.92 1135.78,403.66 1135,355 1120,355 1120,405 1117.75,423.09 1175,445 1195,485
GND on Top Layer "GND_L01_P032" (solid, remove dead copper, pour order 32): 1140,395 1235,395 1235,205 1140,205
VCC12V on Top Layer "VCC12V_L01_P003" (solid, remove dead copper, pour order 3): 1110,1090.91 995,1090.91 990,1085.91 990,1035.91 940,1035.91 945,1100 962.2,1120.91 1110,1120.91
M3OUT2 on Top Layer "M3OUT2_L01_P025" (solid, remove dead copper, pour order 25): 1291.4,1010.84 1369.5,1010.46 1370.61,965.07 1284.88,964.48 1245,1000 1270,1030
VCC3V3 on Top Layer "VCC3V3_L01_P021" (solid, remove dead copper, pour order 21): 498.78,936.81 495,990.91 495,1010.91 508.78,1010.91 508.78,961.81 508.78,936.81
VCC3V3 on Top Layer "VCC3V3_L01_P020" (solid, remove dead copper, pour order 20): 525,840.91 580,840.91 590,830.91 570,810.91 550,830.91 525,830.91
VCC3V3 on Top Layer "VCC3V3_L01_P019" (solid, remove dead copper, pour order 19): 261.58,1345.91 261.44,1232.28 255,1180.91 215,1175.91 230,1200.84 243.78,1230.91 243.78,1345.91
VCC3V3 on Top Layer "VCC3V3_L01_P014" (solid, remove dead copper, pour order 14): 585,1385.91 715,1385.91 715,1365.91 665,1365.91 585,1365.91
VCC3V3 on Top Layer "VCC3V3_L01_P018" (solid, remove dead copper, pour order 18): 497.75,1305.91 497.66,1232.28 520,1190.91 495,1180.91 480,1199.24 480,1305.91
VCC3V3 on Top Layer "VCC3V3_L01_P016" (solid, remove dead copper, pour order 16): 240,1665.91 240,1790.91 260,1790.91 260,1665.91
VCC3V3 on Top Layer "VCC3V3_L01_P015" (solid, remove dead copper, pour order 15): 585,1641.81 715,1641.81 715,1621.81 660,1625 585,1621.81
USB_5V on Top Layer "USB_5V_L01_P012" (solid, remove dead copper, pour order 12): 415,195 435,195 435,135 425,115 410,85 370,85 370,115 399.55,120.91 415,132.5
USB_5V on Top Layer "USB_5V_L01_P011" (solid, remove dead copper, pour order 11): 225,195 225,135 235,115 245,85 305,85 305,115 265,115 250,125 245,135 245,195
VCC5V on Top Layer "VCC5V_L01_P010" (solid, remove dead copper, pour order 10): 801.43,422.5 806.84,307.86 870,285 872.69,255 722.5,255 722.5,317.5 722.5,422.5
USB_5V on Top Layer "USB_5V_L01_P009" (solid, remove dead copper, pour order 9): 435.58,155.33 415.58,155.33 415.58,235.33 420.26,240 500.58,240 500.58,210 435.58,210
VCC5V on Top Layer "VCC5V_L01_P007" (solid, remove dead copper, pour order 7): 1575.67,1006.61 1660.67,1006.61 1670.67,1016.61 1725,1016.61 1725,946.61 1685,946.61 1665.67,961.61 1575.67,961.61
VCC5V on Top Layer "VCC5V_L01_P006" (solid, remove dead copper, pour order 6): 1030,1005.91 1115,1005.91 1125,1015.91 1185,1015.91 1185,945.91 1159.13,945.91 1120,960.91 1030,960.91
VCC12V on Top Layer "VCC12V_L01_P005" (solid, remove dead copper, pour order 5): 1575.67,851.61 1660,855.91 1670.67,876.61 1710.67,876.61 1710.67,776.61 1665.67,776.61 1655,800.91 1575.67,806.61
VCC12V on Top Layer "VCC12V_L01_P004" (solid, remove dead copper, pour order 4): 1655,1090.35 1560.35,1090.35 1539.65,1069.65 1539.65,1035.35 1490,1035.35 1490,1100 1510.35,1120.35 1655,1120.35
GND on Bottom Layer "GND_L02_P043" (solid, remove dead copper, pour order 43): -220,2265 -220,-215 1920,-215 1920,2265
VCC5V on Bottom Layer "VCC5V_L02_P041" (solid, remove dead copper, pour order 41): 740,430 800.27,425 830,330 940,260 1010,230 1012.79,230 1092.26,197.25 1243.51,194.23 1256.34,230 1395,230 1395,135 990,150 940,190 885.81,225.92 845,245 720,256.58 720,410
VCC3V3 on Bottom Layer "VCC3V3_L02_P039" (solid, remove dead copper, pour order 39): 705,775 840.46,724.16 745.56,700 745.56,615 675.35,485 555,485 555,775

## Keep-outs
Keep-Out Layer:
  the board outline again, w50

## Silkscreen, mask and mechanical layers (free items; w line width, h text height)
Top Overlay:
  drawing of 350 lines, arcs and shapes, not listed
  text "5V" at -130,1841.32 h55 r270
  text "EXIO" at 591.33,1815 h80
  text "CLK" at 223.68,1795 h25
  text "GND" at 138.68,1770 h25
  text "DIO" at 338.68,1770 h25
  text "3V3" at 443.68,1770 h25
  text "树莓派" at 35,1764.88 h80 r270
  text "GND" at -130,1747.18 h55 r270
  text "RX" at -130,1612.29 h55 r270
  text "TX" at -130,1516.32 h55 r270
  text "POWER" at 98.94,1240 h40
  text "GREEN" at 98.78,1185 h40
  text "STM32 / F103 / RCT6" at 591.65,1165 h60
  text "BLUE" at 98.59,1130 h40
  text "RESET" at -140,1109.74 h70 r270
  text "X" at 642,1035 h30
  text "Y" at 607,1000 h30
  text "MPU6050" at 162.07,960 h60
  text "KEY1" at -140,930.82 h70 r270
  text "TB6612FNG" at 1500.67,793.66 h70 r90
  text "TB6612FNG" at 955,792.95 h70 r90
  text "KEY2" at -140,775.99 h70 r270
  text "SN65HV / D232D" at 495,751.58 h60 r270
  text "CP2102" at -140,601.31 h70 r270
  text "SDA<->SCL" at -150,324.07 h50 r270
  text "CAN H<->L" at 105,300.97 h60 r270
  text "3V3" at 1481.41,185 h70
  text "5V" at 1587.6,185 h70
  text "GND" at 1661.86,185 h70
  text "开<------->关" at 594.52,130.9 h90
  text "VCC" at 1590,100 h100
Bottom Overlay:
  drawing of 1768 lines, arcs and shapes, not listed
  text "C10" at 606.14,2115 h50 r180
  text "B10" at 706.14,2115 h50 r180
  text "D2" at 806.14,2115 h50 r180
  text "A12" at 905.1,2115 h50 r180
  text "A11" at 1006.14,2115 h50 r180
  text "A8" at 1106.14,2115 h50 r180
  text "A7" at 1206.14,2115 h50 r180
  text "A6" at 1306.14,2115 h50 r180
  text "A5" at 1406.14,2115 h50 r180
  text "A4" at 1506.14,2115 h50 r180
  text "定位孔 / ▲X=50.3 / ▲Y=42.5" at 128.4,2086.66 h70 r180
  text "边长 / X=58 / Y=50" at 426.35,2086.66 h70 r180
  text "C11" at 606.14,1895 h50 r180
  text "B11" at 706.14,1895 h50 r180
  text "C15" at 805.7,1895 h50 r180
  text "C14" at 905.55,1895 h50 r180
  text "C13" at 1005.98,1895 h50 r180
  text "C12" at 1106.14,1895 h50 r180
  text "B13" at 1206.14,1895 h50 r180
  text "B12" at 1306.14,1895 h50 r180
  text "B1" at 1406.14,1895 h50 r180
  text "B0" at 1506.14,1895 h50 r180
  text "@Github / fan-ziqi" at 196.16,1825 h130 r180
  text "OUT2" at 1168.05,1790 h80 r180
  text "GND" at 1163.05,1690 h80 r180
  text "VIN" at 685.76,1686.59 h60 r180
  text "EB" at 1158.05,1590 h80 r180
  text "EA" at 1158.05,1490 h80 r180
  text "5V" at 1158.05,1390 h80 r180
  text "OUT1" at 1163.05,1295 h80 r180
  text "M1" at 797.39,1220 h140 r180
  text "M2" at 1047.05,1220 h140 r180
  text "M3" at 1297.25,1220 h140 r180
  text "M4" at 1545.93,1215 h140 r180
  text "FanZiqi" at 327.52,1047.51 h220 r180
  text "ROS" at 1213,1044.09 h370 r180
  text "Designed by" at 326.25,895.48 h130 r180
  text "Ver 4.0" at 1092.62,728.74 h140 r180
  text "CAN" at 153.61,664.5 h60 r180
  text "MPU" at 357.83,664.46 h60 r180
  text "ROS机器人四电机驱动控制板" at 1.75,587.67 h120 r180
  text "ROS-Controller" at 2.4,455 h260 r180
  text "5V" at 704.5,169.46 h60 r180
  text "12V" at 1002.68,164.88 h60 r180
  text "GND" at 839.51,164.46 h60 r180
  text "TEST" at 602.41,119.46 h60 r180
  text "U5V" at 769.02,74.46 h60 r180
  text "3V3" at 922.68,74.46 h60 r180